# Altium PCB ADAPTONE_PCB_COPY.PcbDoc (part 7 of 11) (continued)
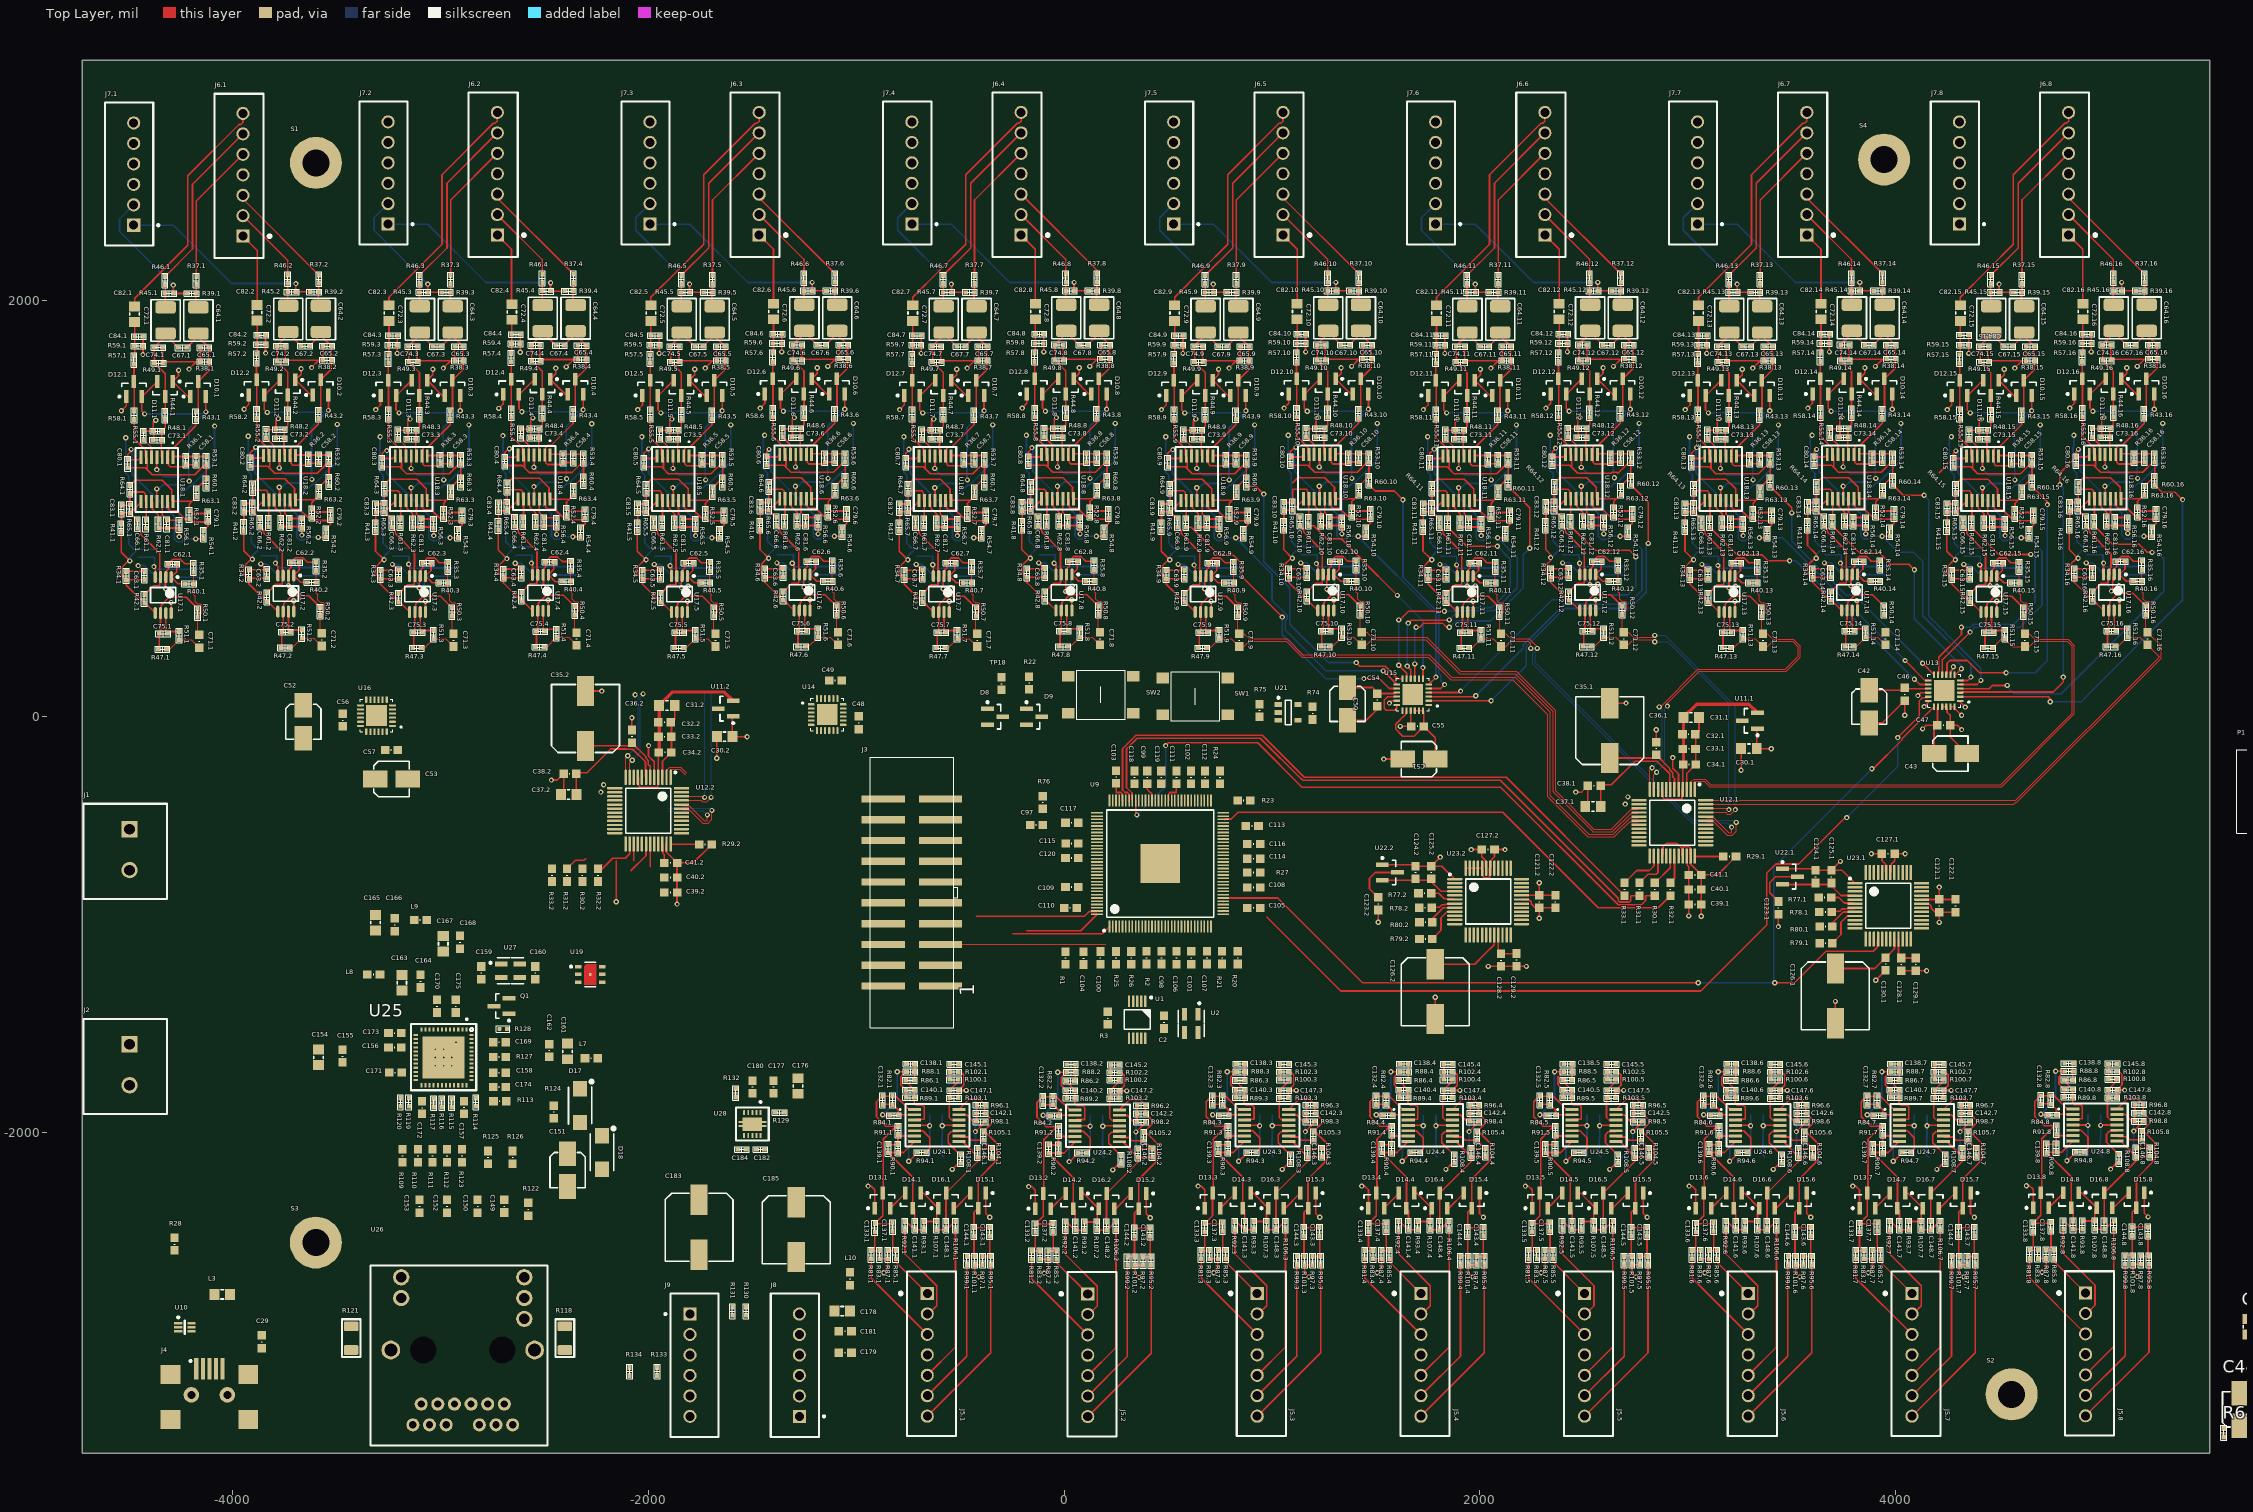
[diagram p0: Top Layer view]
## Nets (pads, with @x,y where several pads share a name; then routed paths per layer and width w, separated by ;. In a path a pad name is that pad's centre, name@x,y a point inside that pad or via, vN(x,y) a via of type N, cw(c..) or ccw(c..) an arc to the next point about the centre after c; other vN are vias at no path point) (continued)
  other v1: 3401.98,-154.37 -1525.45,-96.37
  other v2: -3024.59,-1678.9 -2985.22,-1678.9 -2945.85,-1678.9 -3024.59,-1639.53 -2985.22,-1639.53 -2945.85,-1639.53 -3024.59,-1600.16 -2985.22,-1600.16 -2925.89,-1566.23
I2C_SCL: P1.3 R21.2 TP1.1 TP1.2 U1.9 U9.37 U12.1.39 U12.2.39 U13.17 U14.17 U15.17 U16.17 U23.1.15 U23.2.15 | length 4231
  Top Layer w8: U9.37@765.15,-888.1 U9.37@766.9,-889.85 ; 975.94,-965.03 1330.91,-1320 3062.58,-1320 3380.04,-1002.54 3380.04,-752.35 3423.57,-708.82 3533.77,-708.82 3756.95,-485.65 v1(3764.35,-485.65) ; v1(1564.47,64.89) 1576.06,76.47 U15.17@1600.03,76.47 ; v1(4010,-100.74) 4114.29,3.55 4114.29,77.18 4127.99,90.87 4156.83,90.87 U13.17@4156.83,95.44
  Bottom Layer w8: v1(3764.35,-485.65) 4010,-240 v1(4010,-100.74)
I2C_SDA: P1.4 R20.2 TP2.1 TP2.2 U1.10 U9.38 U12.1.40 U12.2.40 U13.19 U14.19 U15.19 U16.19 U23.1.16 U23.2.16 | length 5079.6
  Top Layer w8: U9.38@765.15,-872.35 1027.35,-872.35 1435,-1280 v1(3050,-1280) ; v1(3418.74,-1280) 3513.38,-1280 3664.52,-1128.86 3891.94,-1128.86 3911.53,-1109.26 3911.53,-1074.21 U23.1.16@3915.31,-1070.43 ; v1(3885.79,-250.79) 3891.77,-250.79 4032.5,-110.06 4032.5,-104.08 U13.19@4184.58,48
  Bottom Layer w8: v1(3050,-1280) v1(3418.74,-1280) 3413.29,-1274.55 3413.29,-723.29 v1(3885.79,-250.79)
IN1_N: C71.16.2 R47.16.2 R51.16.2 U12.1.48 | length 2739
  Top Layer w4: U12.1.48@3086.39,-402.13 4578.87,-402.13 5267,286 5267,289.1 C71.16.2@5211.28,344.82
  Top Layer w6: R47.16.2@5054.58,336.63 5069.27,336.63 R51.16.2@5115.28,382.65 5173.46,382.65 C71.16.2@5211.28,344.82
IN1_P: C71.16.1 R35.16.2 R40.16.2 R50.16.2 U12.1.47 | length 2992.5
  Top Layer w4: U12.1.47@3086.39,-421.81 4569.19,-421.81 4578.87,-412.13 4583.02,-412.13 5277,281.86 5277,340.13 C71.16.1@5211.28,405.84
  Top Layer w6: R40.16.2@5180.28,654.02 5184.28,658.02 R35.16.2@5184.28,708.65 ; R40.16.2@5182.97,651.33 5182.97,601.87 5192.13,592.71 5192.13,565.67 5202.96,554.84 5218.95,554.84 5225.98,547.81 5225.98,514.25 5218.95,507.22 5200.99,507.22 5210.34,497.86 R50.16.2@5204.14,491.66 5204.14,412.99 C71.16.1@5211.28,405.84
IN2_N: C71.15.2 R47.15.2 R51.15.2 U12.1.2 | length 2793.6
  Top Layer w4: U12.1.2@3014.54,-349.96 3014.54,-311.54 3020.08,-311.54 3030.08,-301.54 3082.92,-301.54 3109.38,-328 4505.16,-328 4850,16.84 4850,337.86 4825,362.86 4668.81,362.86 4643.3,337.34 C71.15.2@4621.61,337.34 4563.44,337.34 R51.15.2@4525.61,375.17 4510.92,375.17 R47.15.2@4464.91,329.16
IN2_P: C71.15.1 R35.15.2 R40.15.2 R50.15.2 U12.1.1 | length 2970.7
  Top Layer w4: U12.1.1@3034.22,-349.96 3034.22,-311.54 3078.78,-311.54 3105.24,-338 4509.3,-338 4860,12.7 4860,342 4829.14,372.86 4668.81,372.86 4643.3,398.37 C71.15.1@4621.61,398.37
  Top Layer w6: R40.15.2@4590.61,646.54 4594.61,650.54 R35.15.2@4594.61,701.17 ; R40.15.2@4593.3,643.86 4593.3,594.39 4602.45,585.23 4602.45,558.2 4613.29,547.36 4629.28,547.36 4636.31,540.33 4636.31,506.77 4629.28,499.74 4611.32,499.74 4620.67,490.39 R50.15.2@4614.47,484.18 4614.47,405.51 C71.15.1@4621.61,398.37
IN3_N: C71.14.2 R47.14.2 R51.14.2 U12.1.14 | length 192.6
  Top Layer w6: U12.1.14@2764.71,-421 U12.1.14@2765.52,-421.81 ; R47.14.2@3794.74,336.63 3809.42,336.63 R51.14.2@3855.44,382.65 3913.61,382.65 C71.14.2@3951.44,344.82
  other v1: 2699.27,-421
IN3_P: C71.14.1 R35.14.2 R40.14.2 R50.14.2 U12.1.13 | length 8
  Bottom Layer w6: v1(2712,-386) v1@2712,-378
IN4_N: C71.13.2 R47.13.2 R51.13.2 U12.1.12 | length 1627.1
  Top Layer w4: U12.1.12@2817.69,-349.96 2817.69,-256.31 v1(2828,-246) ; v1(2863,47) 2866.14,47 2871,51.86 2871.86,51 3048.86,228 3470,228 3532,290 3532,334.75 3503.89,362.86 3408.97,362.86 3383.45,337.34 C71.13.2@3361.77,337.34
  Top Layer w6: R47.13.2@3205.06,329.16 3219.75,329.16 R51.13.2@3265.77,375.17 3323.94,375.17 C71.13.2@3361.77,337.34
  Bottom Layer w4: v1(2828,-246) 2878,-196 2878,32 v1(2863,47)
IN4_P: C71.13.1 R35.13.2 R40.13.2 R50.13.2 U12.1.11 | length 1790.4
  Top Layer w4: U12.1.11@2837.37,-349.96 2837.37,-280.47 v1(2849.92,-267.92) ; v1(2902,51) 2902,65 3055,218 3474.14,218 3539.07,282.93 3542,285.86 3542,338.89 3539.07,341.82 3508.03,372.86 3408.97,372.86 3383.45,398.37 C71.13.1@3361.77,398.37
  Top Layer w6: R40.13.2@3330.77,646.54 3334.77,650.54 R35.13.2@3334.77,701.17 ; R40.13.2@3333.45,643.86 3333.45,594.39 3342.61,585.23 3342.61,558.2 3353.44,547.36 3369.44,547.36 3376.47,540.33 3376.47,506.77 3369.44,499.74 3351.47,499.74 3360.83,490.39 R50.13.2@3354.63,484.18 3354.63,405.51 C71.13.1@3361.77,398.37
  Bottom Layer w4: v1(2849.92,-267.92) 2889,-228.84 2889,38 v1(2902,51)
IN5_N: C71.12.2 R47.12.2 R51.12.2 U12.1.46 | length 1459.9
  Top Layer w6: R47.12.2@2534.89,336.63 2549.58,336.63 R51.12.2@2595.6,382.65 2653.77,382.65 C71.12.2@2691.6,344.82 2714.28,344.82 2738.8,369.33 2831.5,369.33 v1(2841,359.83) ; U12.1.46@3086.39,-441.5 3192.45,-441.5 v1(3197.95,-447)
  Bottom Layer w6: v1(2841,359.83) 2903.17,359.83 3197.95,65.05 v1(3197.95,-447)
IN5_P: C71.12.1 R35.12.2 R40.12.2 R50.12.2 U12.1.45 | length 1704
  Top Layer w6: R40.12.2@2660.6,654.02 2664.6,658.02 R35.12.2@2664.6,708.65 ; R40.12.2@2663.28,651.33 2663.28,601.87 2672.44,592.71 2672.44,565.67 2683.27,554.84 2699.27,554.84 2706.3,547.81 2706.3,514.25 2699.27,507.22 2681.3,507.22 2690.66,497.86 R50.12.2@2684.46,491.66 2684.46,412.99 C71.12.1@2691.6,405.84 2714.28,405.84 2738.8,381.33 2831.5,381.33 v1(2841,390.83) ; U12.1.45@3086.39,-461.18 3181.73,-461.18 3189.05,-468.5 3207.45,-468.5 v1(3228.95,-447)
  Bottom Layer w6: v1(2841,390.83) 2889.14,390.83 3228.95,51.02 v1(3228.95,-447)
IN6_N: C71.11.2 R47.11.2 R51.11.2 U12.1.44 | length 1913.5
  Top Layer w6: R47.11.2@1945.22,329.16 1959.91,329.16 R51.11.2@2005.93,375.17 2064.1,375.17 C71.11.2@2101.93,337.34 2124.61,337.34 2149.12,361.86 2233,361.86 2245,349.86 v1(2245,328) ; U12.1.44@3086.39,-480.87 3091.17,-485.65 3124.8,-485.65 3197.16,-558 3210,-558 3211,-557 v1(3211,-531)
  Bottom Layer w6: v1(2245,328) 2254.5,318.5 2254.5,255.03 3019.53,-510 3190,-510 v1(3211,-531)
IN6_P: C71.11.1 R35.11.2 R40.11.2 R50.11.2 U12.1.43 | length 2149.7
  Top Layer w6: R40.11.2@2070.93,646.54 2074.93,650.54 R35.11.2@2074.93,701.17 ; R40.11.2@2073.61,643.86 2073.61,594.39 2082.77,585.23 2082.77,558.2 2093.6,547.36 2109.6,547.36 2116.63,540.33 2116.63,506.77 2109.6,499.74 2091.63,499.74 2100.99,490.39 R50.11.2@2094.78,484.18 2094.78,405.51 C71.11.1@2101.93,398.37 2124.61,398.37 2149.12,373.86 2237.97,373.86 2276,335.83 v1(2276,328) ; U12.1.43@3086.39,-500.55 3091.17,-505.33 3124.8,-505.33 3189.47,-570 3214.97,-570 3232.92,-552.05 v1(3232.92,-509.08)
  Bottom Layer w6: v1(2276,328) 2266.5,318.5 2266.5,260 3024.5,-498 3221.84,-498 v1(3232.92,-509.08)
IN7_N: C71.10.2 R47.10.2 R51.10.2 U12.1.16 | length 2182.2
  Top Layer w6: R47.10.2@1275.05,336.63 1289.74,336.63 R51.10.2@1335.76,382.65 1393.93,382.65 C71.10.2@1431.76,344.82 1454.44,344.82 1478.95,369.33 1738.61,369.33 1901.94,206 2170,206 2352.29,23.71 2352.29,-362.55 2539.88,-550.13 2543.39,-553.65 2637.39,-553.65 2640.91,-550.13 2726.86,-464.18 2762.52,-464.18 U12.1.16@2765.52,-461.18
IN7_P: C71.10.1 R35.10.2 R40.10.2 R50.10.2 U12.1.15 | length 2353.6
  Top Layer w6: R40.10.2@1400.76,654.02 1404.76,658.02 R35.10.2@1404.76,708.65 ; R40.10.2@1403.44,651.33 1403.44,601.87 1412.6,592.71 1412.6,565.67 1423.43,554.84 1439.43,554.84 1446.46,547.81 1446.46,514.25 1439.43,507.22 1421.46,507.22 1430.82,497.86 R50.10.2@1424.61,491.66 1424.61,412.99 C71.10.1@1431.76,405.84 1454.44,405.84 1478.95,381.33 1743.58,381.33 1906.91,218 2174.97,218 2364.29,28.68 2364.29,-357.58 2548.36,-541.65 2632.42,-541.65 2644.07,-530 2644.07,-529.31 2728.89,-444.5 2762.52,-444.5 U12.1.15@2765.52,-441.5
IN8_N: C71.9.2 R47.9.2 R51.9.2 U12.1.18 | length 2777.6
  Top Layer w6: R47.9.2@685.38,329.16 700.07,329.16 R51.9.2@746.08,375.17 804.26,375.17 C71.9.2@842.08,337.34 864.77,337.34 889.28,361.86 1068.14,361.86 1140,290 1143.51,286.49 1750.58,286.49 1859.07,178 2158,178 2326.07,9.93 2326.07,-385.25 2502.94,-562.13 2518.46,-577.65 2647.34,-577.65 2692.96,-532.02 2693.42,-532.02 2720.11,-505.33 2760.74,-505.33 U12.1.18@2765.52,-500.55
IN8_P: C71.9.1 R35.9.2 R40.9.2 R50.9.2 U12.1.17 | length 2952.2
  Top Layer w6: R40.9.2@811.08,646.54 815.08,650.54 R35.9.2@815.08,701.17 ; R40.9.2@813.77,643.86 813.77,594.39 822.93,585.23 822.93,558.2 833.76,547.36 849.76,547.36 856.78,540.33 856.78,506.77 849.76,499.74 831.79,499.74 841.15,490.39 R50.9.2@834.94,484.18 834.94,405.51 C71.9.1@842.08,398.37 864.77,398.37 889.28,373.86 1073.11,373.86 1148.49,298.49 1755.55,298.49 1864.04,190 2169.03,190 2338.07,20.96 2338.07,-380.28 2523.43,-565.65 2642.37,-565.65 2722.37,-485.65 2760.74,-485.65 U12.1.17@2765.52,-480.87
IN9_N: C71.8.2 R47.8.2 R51.8.2 U12.2.48 | length 191.4
  Top Layer w6: R47.8.2@15.21,336.63 29.9,336.63 R51.8.2@75.91,382.65 134.09,382.65 C71.8.2@171.91,344.82
IN9_P: C71.8.1 R35.8.2 R40.8.2 R50.8.2 U12.2.47 | length 359.2
  Top Layer w6: R40.8.2@140.91,654.02 144.91,658.02 R35.8.2@144.91,708.65 ; R40.8.2@143.6,651.33 143.6,601.87 152.76,592.71 152.76,565.67 163.59,554.84 179.58,554.84 186.61,547.81 186.61,514.25 179.58,507.22 161.62,507.22 170.97,497.86 R50.8.2@164.77,491.66 164.77,412.99 C71.8.1@171.91,405.84
IN10_N: C71.7.2 R47.7.2 R51.7.2 U12.2.2 | length 339.8
  Top Layer w4: U12.2.2@-1912.88,-291.96 -1912.88,-253.54 -1907.34,-253.54 -1897.34,-243.54 -1844.5,-243.54 -1818.04,-270
  Top Layer w6: R47.7.2@-574.46,329.16 -559.77,329.16 R51.7.2@-513.76,375.17 -455.59,375.17 C71.7.2@-417.76,337.34
IN10_P: C71.7.1 R35.7.2 R40.7.2 R50.7.2 U12.2.1 | length 479.6
  Top Layer w4: U12.2.1@-1893.2,-291.96 -1893.2,-253.54 -1848.64,-253.54 -1822.18,-280
  Top Layer w6: R40.7.2@-448.76,646.54 -444.76,650.54 R35.7.2@-444.76,701.17 ; R40.7.2@-446.07,643.86 -446.07,594.39 -436.92,585.23 -436.92,558.2 -426.08,547.36 -410.09,547.36 -403.06,540.33 -403.06,506.77 -410.09,499.74 -428.05,499.74 -418.7,490.39 R50.7.2@-424.9,484.18 -424.9,405.51 C71.7.1@-417.76,398.37
IN11_N: C71.6.2 R47.6.2 R51.6.2 U12.2.14 | length 192.6
  Top Layer w6: U12.2.14@-2162.71,-363 U12.2.14@-2161.9,-363.81 ; R47.6.2@-1244.63,336.63 -1229.94,336.63 R51.6.2@-1183.93,382.65 -1125.76,382.65 C71.6.2@-1087.93,344.82
IN11_P: C71.6.1 R35.6.2 R40.6.2 R50.6.2 U12.2.13 | length 359.2
  Top Layer w6: R40.6.2@-1118.93,654.02 -1114.93,658.02 R35.6.2@-1114.93,708.65 ; R40.6.2@-1116.24,651.33 -1116.24,601.87 -1107.09,592.71 -1107.09,565.67 -1096.25,554.84 -1080.26,554.84 -1073.23,547.81 -1073.23,514.25 -1080.26,507.22 -1098.22,507.22 -1088.87,497.86 R50.6.2@-1095.07,491.66 -1095.07,412.99 C71.6.1@-1087.93,405.84
IN12_N: C71.5.2 R47.5.2 R51.5.2 U12.2.12 | length 630.8
  Top Layer w4: U12.2.12@-2109.73,-291.96 -2109.73,-198.31 v1(-2099.42,-188) ; v1(-2064.42,105) -2061.28,105 -2056.42,109.86 v1@-2055.56,109
  Top Layer w6: R47.5.2@-1834.31,329.16 -1819.62,329.16 R51.5.2@-1773.6,375.17 -1715.43,375.17 C71.5.2@-1677.6,337.34
  Bottom Layer w4: v1(-2099.42,-188) -2049.42,-138 -2049.42,90 v1(-2064.42,105)
IN12_P: C71.5.1 R35.5.2 R40.5.2 R50.5.2 U12.2.11 | length 801
  Top Layer w4: U12.2.11@-2090.05,-291.96 -2090.05,-222.47 v1(-2077.5,-209.92) ; v1(-2025.42,109) -2025.42,123
  Top Layer w6: R40.5.2@-1708.6,646.54 -1704.6,650.54 R35.5.2@-1704.6,701.17 ; R40.5.2@-1705.92,643.86 -1705.92,594.39 -1696.76,585.23 -1696.76,558.2 -1685.93,547.36 -1669.93,547.36 -1662.9,540.33 -1662.9,506.77 -1669.93,499.74 -1687.9,499.74 -1678.54,490.39 R50.5.2@-1684.74,484.18 -1684.74,405.51 C71.5.1@-1677.6,398.37
  Bottom Layer w4: v1(-2077.5,-209.92) -2038.42,-170.84 -2038.42,96 v1(-2025.42,109)
IN13_N: C71.4.2 R47.4.2 R51.4.2 U12.2.46 | length 817.3
  Top Layer w6: R47.4.2@-2503.12,334.75 -2488.43,334.75 R51.4.2@-2442.41,380.76 -2384.24,380.76 C71.4.2@-2346.41,342.93 ; U12.2.46@-1841.03,-383.5 -1734.97,-383.5 v1(-1729.47,-389)
  Bottom Layer w6: v1(-1729.47,-389) -1729.47,123.05
IN13_P: C71.4.1 R35.4.2 R40.4.2 R50.4.2 U12.2.45 | length 1011.8
  Top Layer w6: R40.4.2@-2377.41,652.13 -2373.41,656.13 R35.4.2@-2373.41,706.76 ; R40.4.2@-2374.73,649.45 -2374.73,599.98 -2365.57,590.82 -2365.57,563.79 -2354.74,552.95 -2338.74,552.95 -2331.71,545.93 -2331.71,512.36 -2338.74,505.33 -2356.71,505.33 -2347.35,495.98 R50.4.2@-2353.55,489.77 -2353.55,411.1 C71.4.1@-2346.41,403.96 ; U12.2.45@-1841.03,-403.18 -1745.69,-403.18 -1738.38,-410.5 -1719.97,-410.5 v1(-1698.47,-389)
  Bottom Layer w6: v1(-1698.47,-389) -1698.47,109.02
IN14_N: C71.3.2 R47.3.2 R51.3.2 U12.2.44 | length 574.6
  Top Layer w6: R47.3.2@-3094.15,329.16 -3079.46,329.16 R51.3.2@-3033.44,375.17 -2975.27,375.17 C71.3.2@-2937.44,337.34 ; U12.2.44@-1841.03,-422.87 -1836.25,-427.65 -1802.62,-427.65 -1730.26,-500 -1717.42,-500 -1716.42,-499 v1(-1716.42,-473)
  Bottom Layer w6: -1907.89,-452 -1737.42,-452 v1(-1716.42,-473)
IN14_P: C71.3.1 R35.3.2 R40.3.2 R50.3.2 U12.2.43 | length 798
  Top Layer w6: R40.3.2@-2968.44,646.54 -2964.44,650.54 R35.3.2@-2964.44,701.17 ; R40.3.2@-2965.76,643.86 -2965.76,594.39 -2956.6,585.23 -2956.6,558.2 -2945.77,547.36 -2929.77,547.36 -2922.74,540.33 -2922.74,506.77 -2929.77,499.74 -2947.74,499.74 -2938.38,490.39 R50.3.2@-2944.59,484.18 -2944.59,405.51 C71.3.1@-2937.44,398.37 ; U12.2.43@-1841.03,-442.55 -1836.25,-447.33 -1802.62,-447.33 -1737.95,-512 -1712.45,-512 -1694.5,-494.05 v1(-1694.5,-451.08)
  Bottom Layer w6: -1902.92,-440 -1705.58,-440 v1(-1694.5,-451.08)
IN15_N: C71.2.2 R47.2.2 R51.2.2 U12.2.16 | length 191.4
  Top Layer w6: R47.2.2@-3728.06,331.49 -3713.37,331.49 R51.2.2@-3667.35,377.51 -3609.18,377.51 C71.2.2@-3571.35,339.68
IN15_P: C71.2.1 R35.2.2 R40.2.2 R50.2.2 U12.2.15 | length 359.2
  Top Layer w6: R40.2.2@-3602.35,648.88 -3598.35,652.88 R35.2.2@-3598.35,703.51 ; R40.2.2@-3599.67,646.2 -3599.67,596.73 -3590.51,587.57 -3590.51,560.54 -3579.68,549.7 -3563.68,549.7 -3556.65,542.67 -3556.65,509.11 -3563.68,502.08 -3581.65,502.08 -3572.29,492.72 R50.2.2@-3578.5,486.52 -3578.5,407.85 C71.2.1@-3571.35,400.71
IN16_N: C71.1.2 R47.1.2 R51.1.2 U12.2.18 | length 191.4
  Top Layer w6: R47.1.2@-4317.73,324.02 -4303.04,324.02 R51.1.2@-4257.03,370.03 -4198.85,370.03 C71.1.2@-4161.03,332.21
IN16_P: C71.1.1 R35.1.2 R40.1.2 R50.1.2 U12.2.17 | length 359.2
  Top Layer w6: R40.1.2@-4192.03,641.4 -4188.03,645.4 R35.1.2@-4188.03,696.03 ; R40.1.2@-4189.34,638.72 -4189.34,589.25 -4180.18,580.1 -4180.18,553.06 -4169.35,542.23 -4153.35,542.23 -4146.32,535.2 -4146.32,501.63 -4153.35,494.6 -4171.32,494.6 -4161.96,485.25 R50.1.2@-4168.17,479.05 -4168.17,400.37 C71.1.1@-4161.03,393.23
INT_N: R113.1 U9.15 U25.38
JACKA.1: J5.1.3 R81.1.1 | length 475.1
  Top Layer w8: R81.1.1@-928.08,-2608.15 -928.08,-2702.12 J5.1.3@-658.59,-2971.61
JACKA.2: J5.2.3 R81.2.1 | length 475.1
  Top Layer w8: R81.2.1@-156,-2610.23 -156,-2704.21 J5.2.3@113.49,-2973.69
JACKA.3: J5.3.3 R81.3.1 | length 475.1
  Top Layer w8: R81.3.1@659.18,-2608.15 659.18,-2702.12 J5.3.3@928.66,-2971.61
JACKA.4: J5.4.3 R81.4.1 | length 475.1
  Top Layer w8: R81.4.1@1446.58,-2608.15 1446.58,-2702.12 J5.4.3@1716.06,-2971.61
JACKA.5: J5.5.3 R81.5.1 | length 475.1
  Top Layer w8: R81.5.1@2233.98,-2608.15 2233.98,-2702.12 J5.5.3@2503.46,-2971.61
JACKA.6: J5.6.3 R81.6.1 | length 475.1
  Top Layer w8: R81.6.1@3021.38,-2608.15 3021.38,-2702.12 J5.6.3@3290.87,-2971.61
JACKA.7: J5.7.3 R81.7.1 | length 475.1
  Top Layer w8: R81.7.1@3808.78,-2608.15 3808.78,-2702.12 J5.7.3@4078.27,-2971.61
JACKA.8: J5.8.3 R81.8.1 | length 475.1
  Top Layer w8: R81.8.1@4644,-2606.06 4644,-2700.04 J5.8.3@4913.49,-2969.53
JACKB.1: J5.1.7 R95.1.1 | length 855.2
  Top Layer w8: J5.1.7@-658.59,-3365.31 -353.31,-3060.02 R95.1.1@-353.31,-2636.55
JACKB.2: J5.2.7 R95.2.1 | length 855.2
  Top Layer w8: J5.2.7@113.49,-3367.39 418.77,-3062.11 R95.2.1@418.77,-2638.64
JACKB.3: J5.3.7 R95.3.1 | length 855.2
  Top Layer w8: J5.3.7@928.66,-3365.31 1233.95,-3060.02 R95.3.1@1233.95,-2636.55
JACKB.4: J5.4.7 R95.4.1 | length 855.2
  Top Layer w8: J5.4.7@1716.06,-3365.31 2021.35,-3060.02 R95.4.1@2021.35,-2636.55
JACKB.5: J5.5.7 R95.5.1 | length 855.2
  Top Layer w8: J5.5.7@2503.46,-3365.31 2808.75,-3060.02 R95.5.1@2808.75,-2636.55
JACKB.6: J5.6.7 R95.6.1 | length 855.2
  Top Layer w8: J5.6.7@3290.87,-3365.31 3596.15,-3060.02 R95.6.1@3596.15,-2636.55
JACKB.7: J5.7.7 R95.7.1 | length 855.2
  Top Layer w8: J5.7.7@4078.27,-3365.31 4383.55,-3060.02 R95.7.1@4383.55,-2636.55
JACKB.8: J5.8.7 R95.8.1 | length 855.2
  Top Layer w8: J5.8.7@4913.49,-3363.23 5218.77,-3057.94 R95.8.1@5218.77,-2634.47
LRCLK: R23.1 TP9.1 TP9.2 U12.1.24 U12.2.24
MCLK_AUDIO: R18.1 R19.2 R77.1.1 R77.2.1 TP7.1 TP7.2 U12.1.23 U12.2.23
MCLK_XCORE: R2.2 R18.2 U9.13 U9.63
NetC3_2: C3.2 U3.8
NetC4_1: C4.1 U3.1
NetC4_2: C4.2 L1.1 U3.3
NetC10_1: C10.1 C14.1 U3.6
NetC10_2: C10.2 R8.1
NetC25_1: C25.1 U8.7
NetC26_1: C26.1 D7.A R10.2 R13.1 U7.1
NetC27_2: C27.2 U8.12
NetC28_1: C28.1 R15.2
NetC31.1_1: C31.1.1 C32.1.1 C33.1.1 C34.1.1 U11.1.2 U12.1.4 U12.1.9 U12.1.20 | length 934.5
  Top Layer w8: U12.1.9@2876.74,-349.96 2879.52,-349.96 2879.52,-389.2 2887.7,-397.38 2972.39,-397.38 2972.39,-349.96 U12.1.4@2975.17,-349.96 2975.17,-231.88 C34.1.1@2977.22,-229.83
  Top Layer w15.75: C34.1.1@2979.02,-228.04 C31.1.1@2979.02,-3.94 2979.02,-3.27 3042.28,60 3293.19,60 U11.1.2@3335.51,17.68
NetC31.2_1: C31.2.1 C32.2.1 C33.2.1 C34.2.1 U11.2.2 U12.2.4 U12.2.9 U12.2.20 | length 934.5
  Top Layer w8: U12.2.9@-2050.68,-291.96 -2047.9,-291.96 -2047.9,-331.2 -2039.73,-339.38 -1955.03,-339.38 -1955.03,-291.96 U12.2.4@-1952.25,-291.96 -1952.25,-173.88 C34.2.1@-1950.2,-171.83
  Top Layer w15.75: C34.2.1@-1948.41,-170.04 C31.2.1@-1948.41,54.06 -1948.41,54.73 -1885.14,118 -1634.23,118 U11.2.2@-1591.91,75.68
NetC35.1_+: C35.1.+ C36.1.1 U12.1.6 | length 432.4
  Top Layer w8: C35.1.+@2624.71,-198.89 2832.58,-198.89 C36.1.1@2847.96,-183.51 2914,-249.56 2914,-256.2 2927.33,-269.53 2927.33,-288.84 2935.8,-297.3 U12.1.6@2935.8,-349.96
NetC35.2_+: C35.2.+ C36.2.1 U12.2.6 | length 432.4
  Top Layer w8: C35.2.+@-2302.71,-140.89 -2094.85,-140.89 C36.2.1@-2079.47,-125.51 -2013.42,-191.56 -2013.42,-198.2 -2000.09,-211.53 -2000.09,-230.84 -1991.62,-239.3 U12.2.6@-1991.62,-291.96
NetC58.1_1: C58.1.1 R36.1.2 R43.1.2 U18.1.2 | length 437.1
  Top Layer w8: R43.1.2@-4181.87,1421.69 R43.1.2@-4177.2,1426.35 -4177.2,1399.04 -4282.79,1293.45 -4300.47,1293.45 -4308.67,1285.25 -4308.67,1252.66 U18.1.2@-4313.37,1247.96 -4308.67,1243.25 -4308.67,1210.66 -4300.47,1202.46 -4224.55,1202.46 R36.1.2@-4224.55,1212.03 C58.1.1@-4175.55,1212.03
NetC58.1_2: C58.1.2 R36.1.1 R53.1.2 U18.1.1 | length 162.7
  Top Layer w8: U18.1.1@-4287.78,1247.96 -4284.33,1251.4 R36.1.1@-4224.55,1251.4 C58.1.2@-4175.55,1251.4 R53.1.2@-4126.55,1251.4
NetC58.2_1: C58.2.1 R36.2.2 R43.2.2 U18.2.2 | length 437.1
  Top Layer w8: R43.2.2@-3592.19,1429.16 R43.2.2@-3587.53,1433.83 -3587.53,1406.52 -3693.12,1300.93 -3710.8,1300.93 -3719,1292.73 -3719,1260.13 U18.2.2@-3723.7,1255.43 -3719,1250.73 -3719,1218.14 -3710.8,1209.94 -3634.88,1209.94 R36.2.2@-3634.88,1219.51 C58.2.1@-3585.88,1219.51
NetC58.2_2: C58.2.2 R36.2.1 R53.2.2 U18.2.1 | length 162.7
  Top Layer w8: U18.2.1@-3698.11,1255.43 -3694.66,1258.88 R36.2.1@-3634.88,1258.88 C58.2.2@-3585.88,1258.88 R53.2.2@-3536.88,1258.88
NetC58.3_1: C58.3.1 R36.3.2 R43.3.2 U18.3.2 | length 437.1
  Top Layer w8: R43.3.2@-2958.28,1426.83 R43.3.2@-2953.62,1431.49 -2953.62,1404.18 -3059.21,1298.59 -3076.89,1298.59 -3085.09,1290.39 -3085.09,1257.79 U18.3.2@-3089.79,1253.09 -3085.09,1248.39 -3085.09,1215.8 -3076.89,1207.6 -3000.97,1207.6 R36.3.2@-3000.97,1217.17 C58.3.1@-2951.97,1217.17
NetC58.3_2: C58.3.2 R36.3.1 R53.3.2 U18.3.1 | length 162.7
  Top Layer w8: U18.3.1@-3064.2,1253.09 -3060.75,1256.54 R36.3.1@-3000.97,1256.54 C58.3.2@-2951.97,1256.54 R53.3.2@-2902.97,1256.54
NetC58.4_1: C58.4.1 R36.4.2 R43.4.2 U18.4.2 | length 437.1
  Top Layer w8: R43.4.2@-2367.25,1432.42 R43.4.2@-2362.59,1437.08 -2362.59,1409.77 -2468.18,1304.18 -2485.86,1304.18 -2494.06,1295.98 -2494.06,1263.38 U18.4.2@-2498.76,1258.68 -2494.06,1253.98 -2494.06,1221.39 -2485.86,1213.19 -2409.94,1213.19 R36.4.2@-2409.94,1222.76 C58.4.1@-2360.94,1222.76
NetC58.4_2: C58.4.2 R36.4.1 R53.4.2 U18.4.1 | length 162.7
  Top Layer w8: U18.4.1@-2473.17,1258.68 -2469.72,1262.13 R36.4.1@-2409.94,1262.13 C58.4.2@-2360.94,1262.13 R53.4.2@-2311.94,1262.13
NetC58.5_1: C58.5.1 R36.5.2 R43.5.2 U18.5.2 | length 437.1
  Top Layer w8: R43.5.2@-1698.44,1426.83 R43.5.2@-1693.78,1431.49 -1693.78,1404.18 -1799.37,1298.59 -1817.05,1298.59 -1825.25,1290.39 -1825.25,1257.79 U18.5.2@-1829.95,1253.09 -1825.25,1248.39 -1825.25,1215.8 -1817.05,1207.6 -1741.13,1207.6 R36.5.2@-1741.13,1217.17 C58.5.1@-1692.13,1217.17
NetC58.5_2: C58.5.2 R36.5.1 R53.5.2 U18.5.1 | length 162.7
  Top Layer w8: U18.5.1@-1804.36,1253.09 -1800.91,1256.54 R36.5.1@-1741.13,1256.54 C58.5.2@-1692.13,1256.54 R53.5.2@-1643.13,1256.54
NetC58.6_1: C58.6.1 R36.6.2 R43.6.2 U18.6.2 | length 437.1
  Top Layer w8: R43.6.2@-1108.77,1434.3 R43.6.2@-1104.11,1438.96 -1104.11,1411.65 -1209.7,1306.06 -1227.37,1306.06 -1235.58,1297.86 -1235.58,1265.27 U18.6.2@-1240.28,1260.57 -1235.58,1255.87 -1235.58,1223.27 -1227.37,1215.07 -1151.46,1215.07 R36.6.2@-1151.46,1224.65 C58.6.1@-1102.46,1224.65